# Altium PCB board.PcbDoc (part 1 of 3)
Units mm, origin at the board's own origin, x right, y up, seen from the top; angles counter-clockwise.
Board outline 44 x 64 mm, 2 copper layers (Top Layer, Bottom Layer), stack 1.5 mm thick; 184 components, 127 nets, 586 pads, 334 vias.
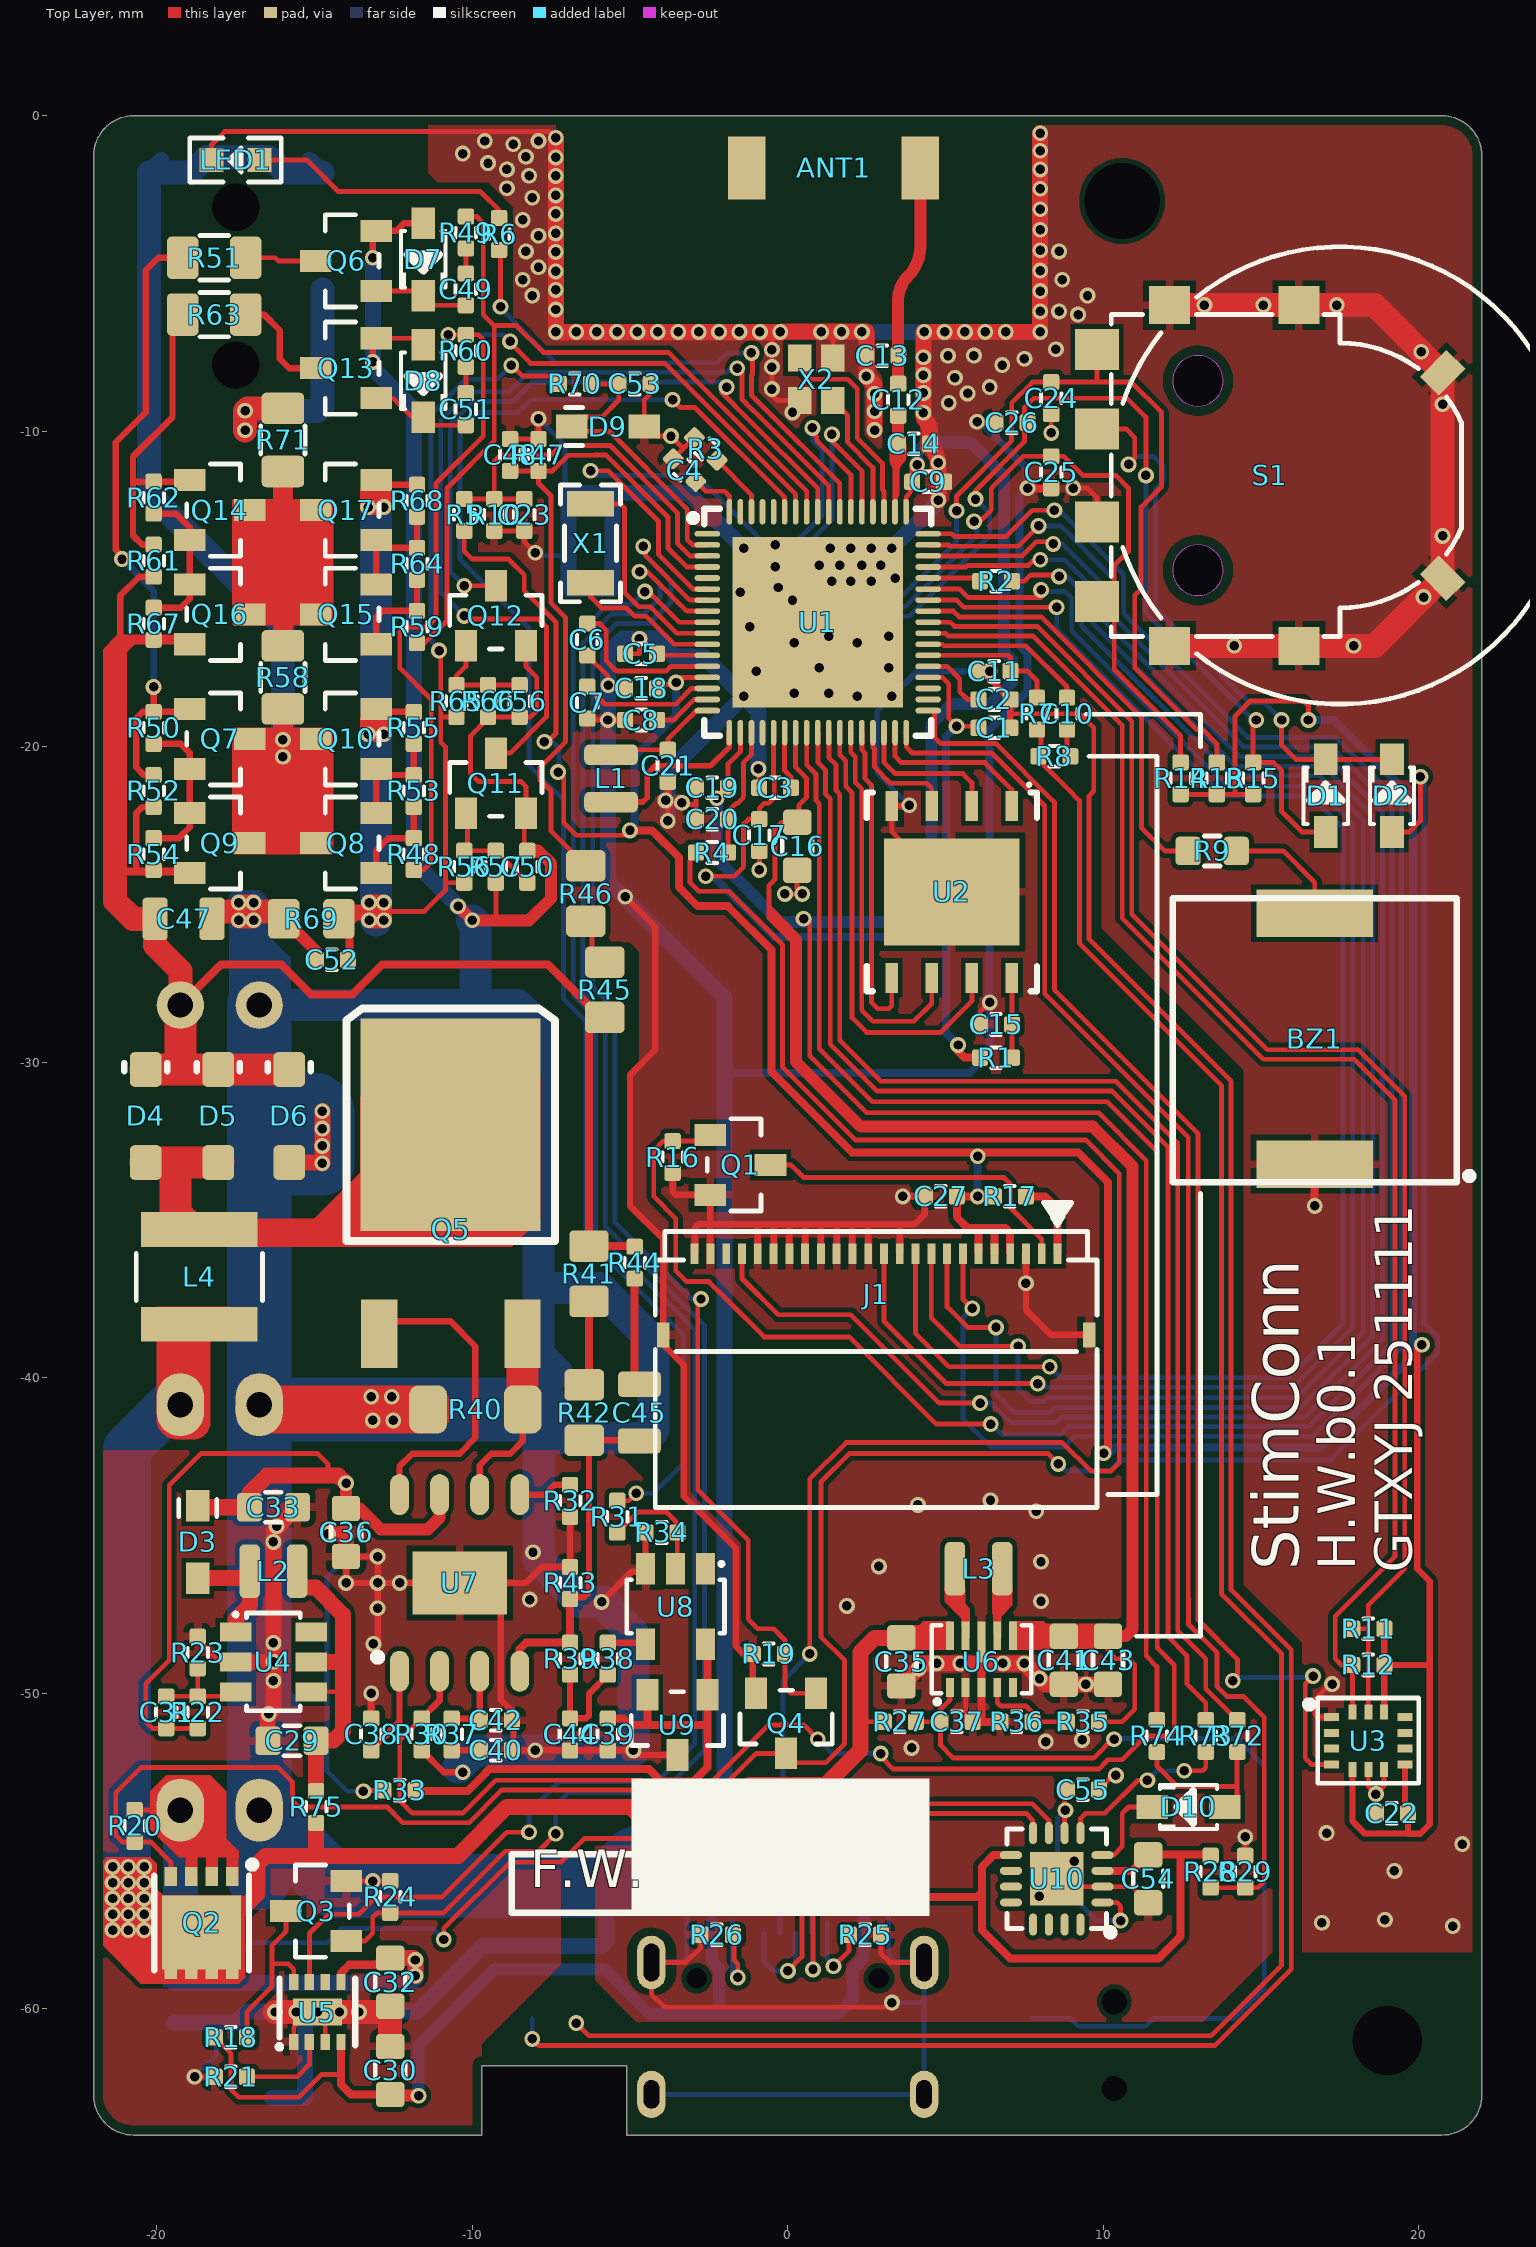
[diagram p0: Top Layer view]
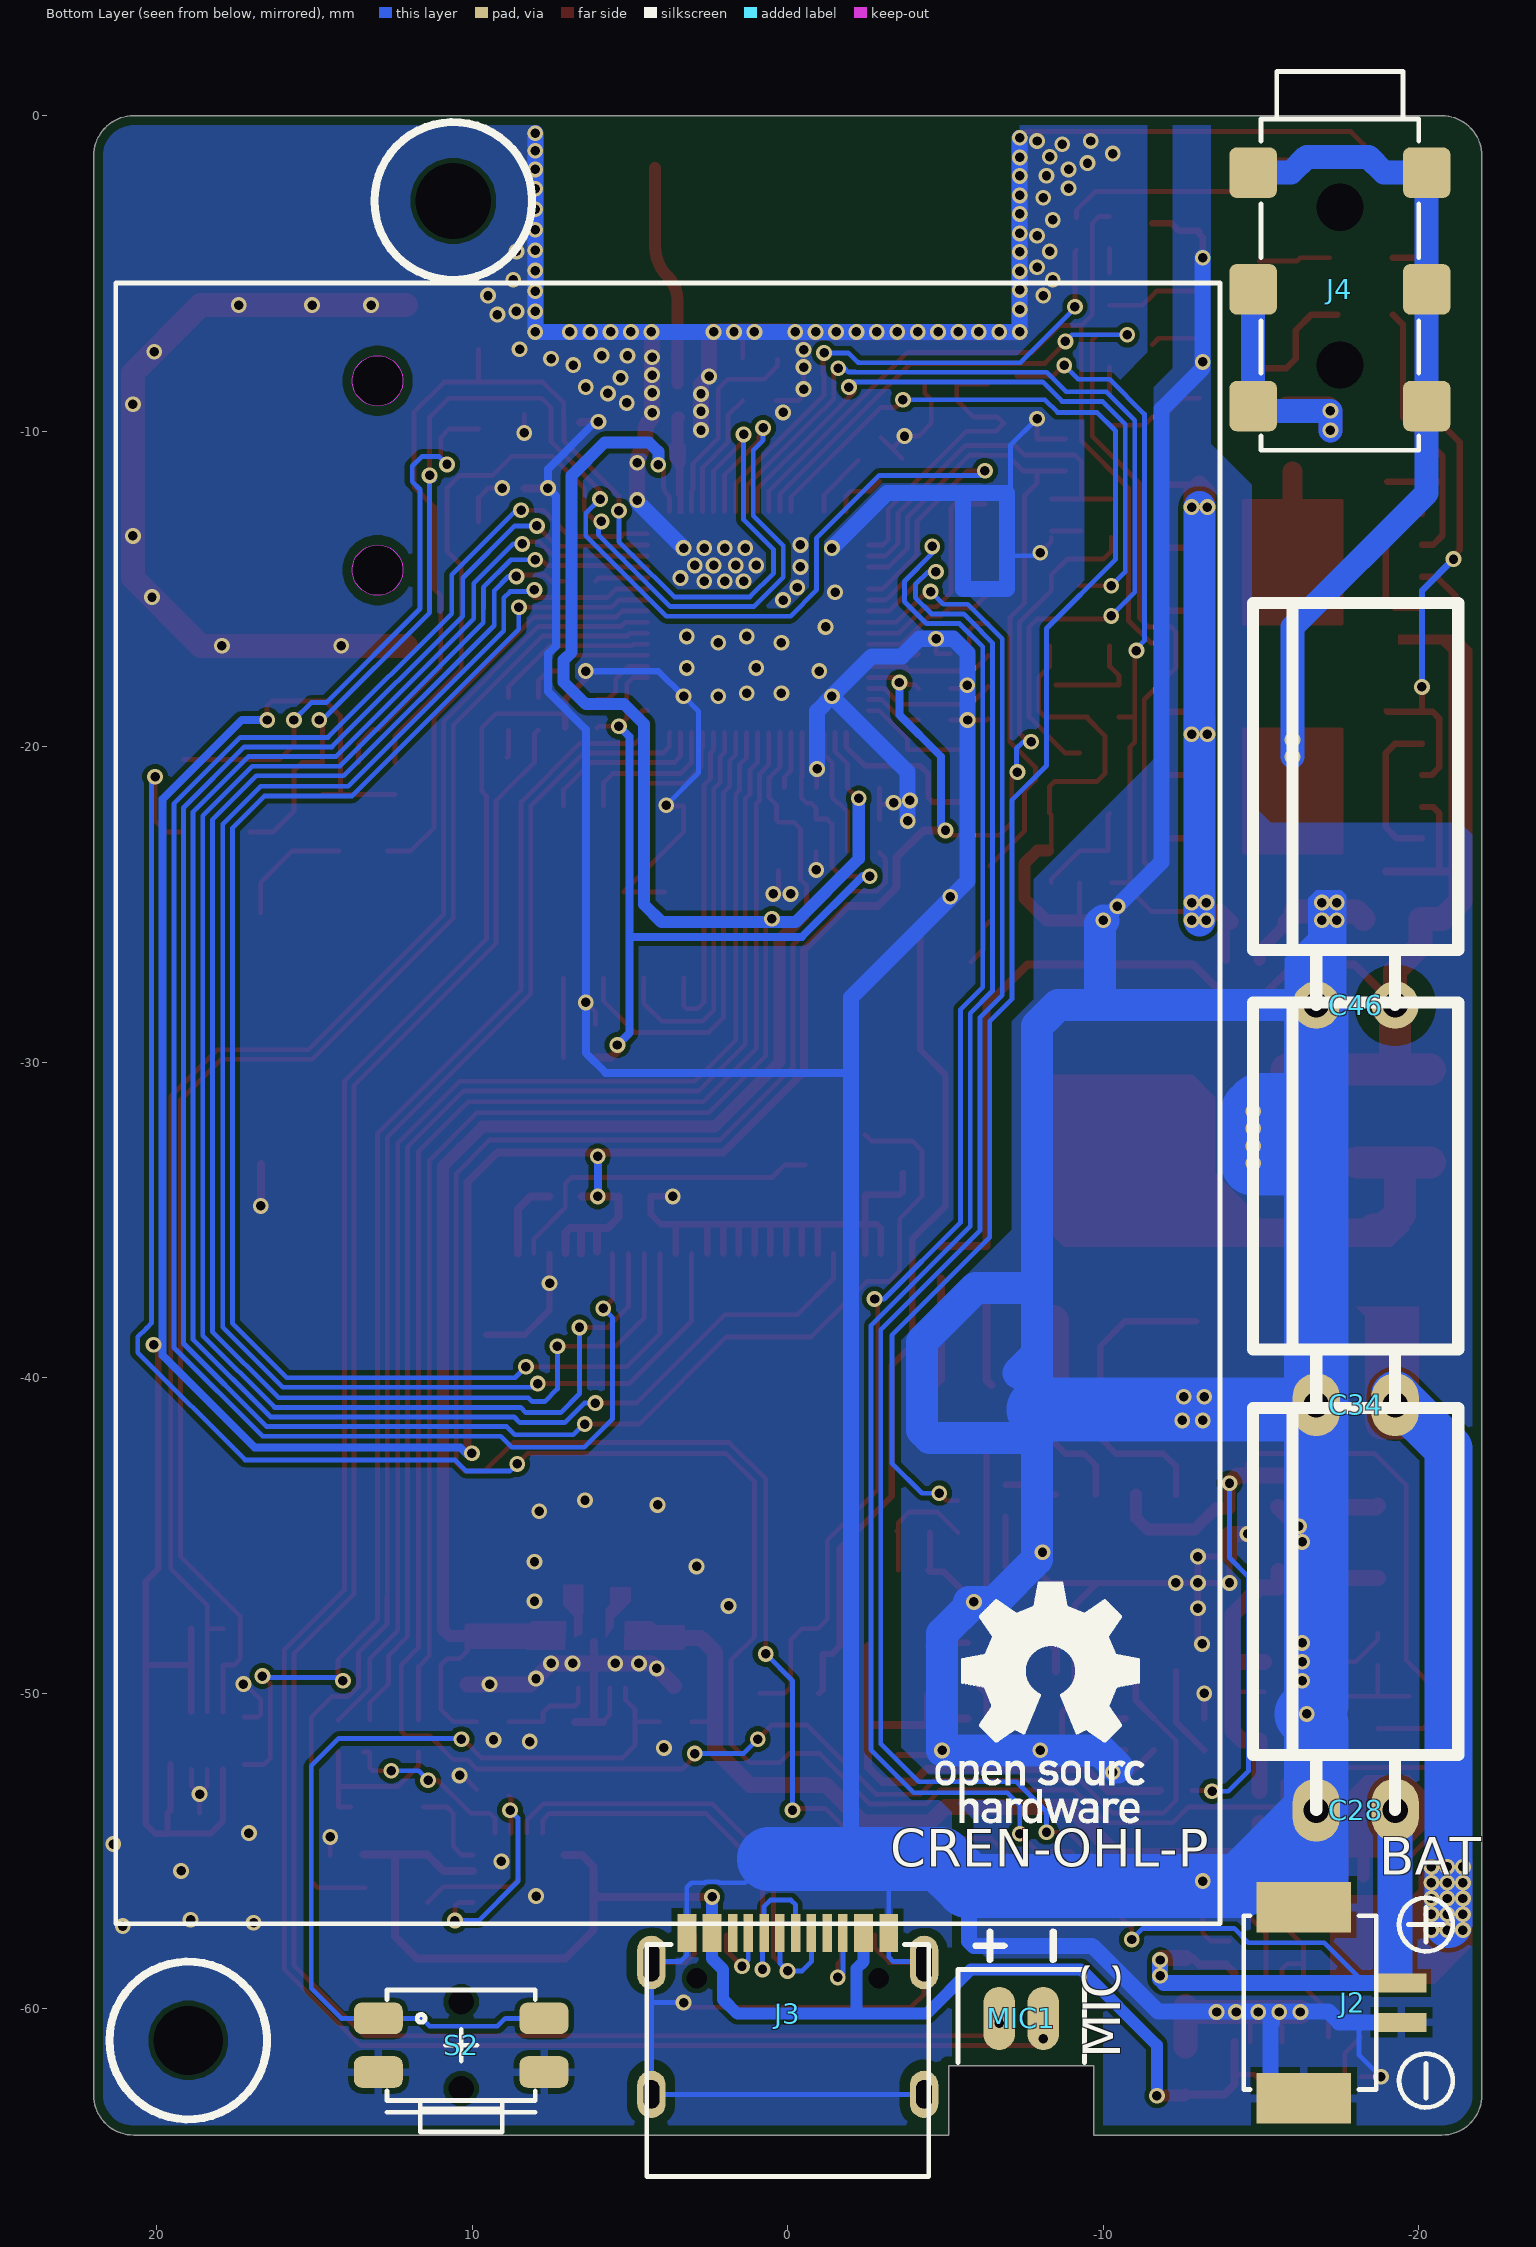
[diagram p1: Bottom Layer view, seen from below]
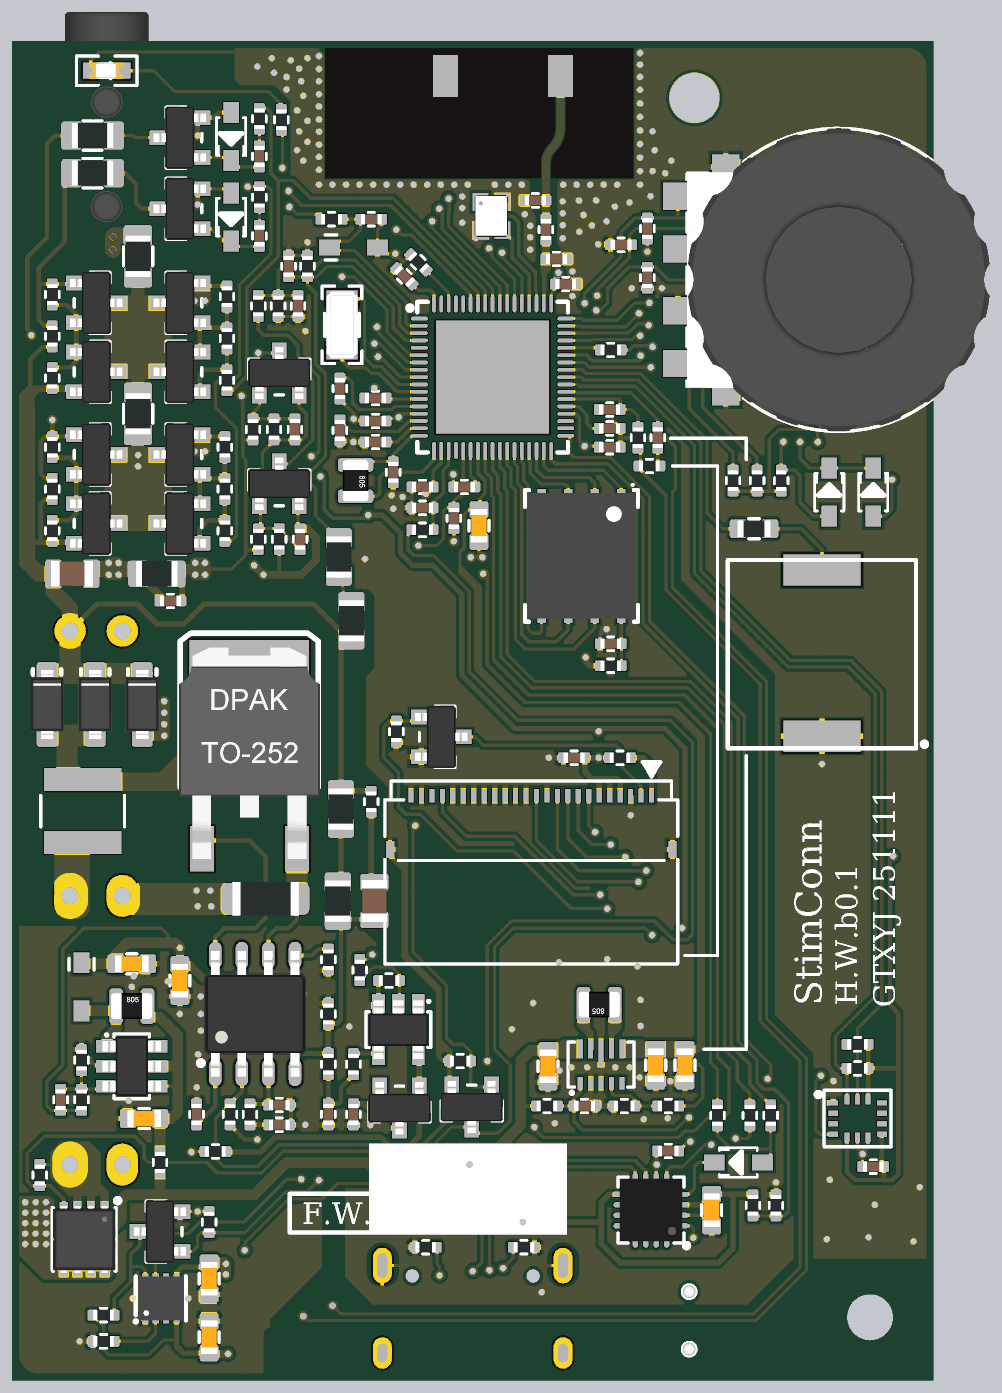
[diagram p4: 3D render of the assembled board from above, using the file's embedded part models]
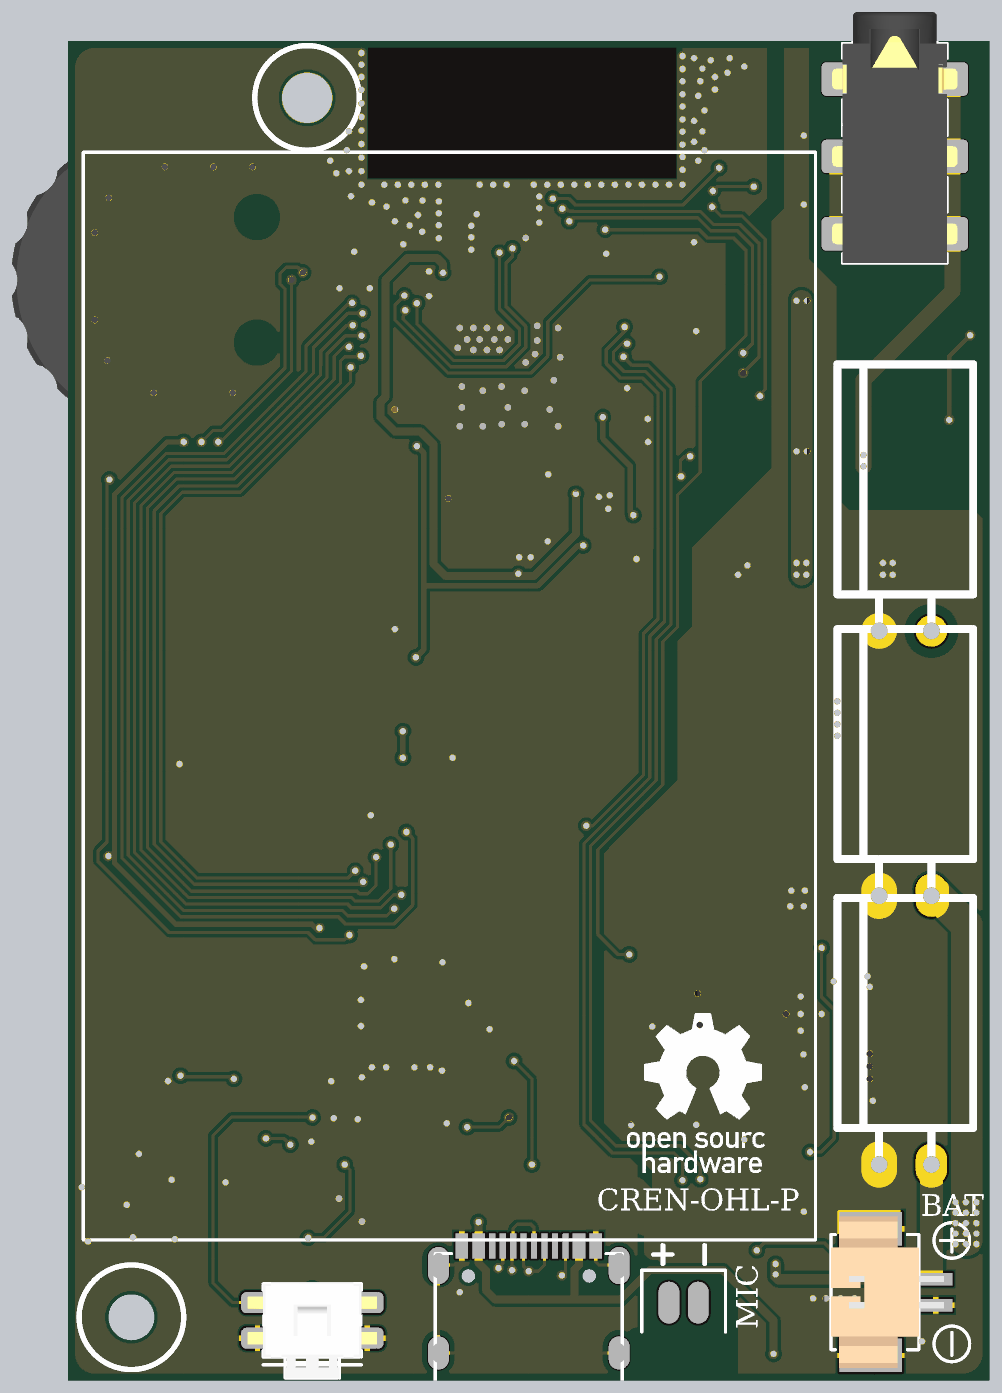
[diagram p5: 3D render of the assembled board from below, using the file's embedded part models]

## Layer stack, top to bottom
Top Solder: solder mask 0.05, Solder Resist, Dk 3.5
Top Layer: signal copper 0.05
Dielectric 1: dielectric 1.4, FR-4, Dk 4.8
Bottom Layer: signal copper 0.05
Bottom Solder: solder mask 0.05, Solder Resist, Dk 3.5

## Board outline
-22,-62.73 ccw(c-20.73,-62.73) -20.73,-64 -9.7,-64 -9.7,-61.8 -5.1,-61.8 -5.1,-64 20.73,-64 ccw(c20.73,-62.73) 22,-62.73 22,-1.27 ccw(c20.73,-1.27) 20.73,0 -20.73,0 ccw(c-20.73,-1.27) -22,-1.27

## Design rules (kind name [scope] priority, off if disabled: settings)
BoardOutlineClearance [All] p1: gap=0.3 ignorepadtopadclearanceinfootprint=FALSE
Clearance [All] p1: gap=0.152 ignorepadtopadclearanceinfootprint=FALSE
ComponentClearance [All] p1: gap=0 collisioncheckmode=3 verticalgap=0 showdistances=FALSE
HoleSize [All] p1: absolutevalues=TRUE maxlimit=6 minlimit=0.025 maxpercent=80.000 minpercent=20.000
PolygonConnect PolygonConnect_via [IsVia] p1: connectstyle=Direct reliefconductorwidth=0.254 reliefentries=4 polygonreliefangle="90 Angle" airgapwidth=0.254
PolygonConnect [All] p2: connectstyle=Relief reliefconductorwidth=0.254 reliefentries=4 polygonreliefangle="90 Angle" airgapwidth=0.178
RoutingVias [All] p1: holewidth=0.3 width=0.5 viastyle="Through Hole" minholewidth=0.1 minwidth=0.2 maxholewidth=0.711 maxwidth=1.27
SilkToSilkClearance [All] p1: silktosilkclearance=0
SilkToSolderMaskClearance [IsPad] p1: minsilkscreentomaskgap=0.051 clearancetoexposedcopper=TRUE
SolderMaskExpansion [All] p1: expansion=0.102 istentingtop=FALSE
Width [All] p1: maxlimit=22.86 minlimit=0.152 preferedwidth=0.203
26 further rules are at their usual default settings.

## Classes and differential pairs
net class HV: NetJ4_1 NetJ4_2 OUT_N
component class s02_power: C28 C29 C30 C31 C32 C33 C34 C35 C36 C37 C38 C39 C40 C41 C42 C43 C44 C45 C46 C47 C48 C49 C50 C51 C52 C53 C54 C55 C56 D3 D4 D5 D6 D7 D8 D9 D10 J2 J3 J4 L2 L3 L4 Q2 Q3 Q4 Q5 Q6 Q7 Q8 Q9 Q10 Q11 Q12 Q13 Q14 Q15 Q16 Q17 R18 R19 R20 R21 R22 R23 R24 R25 R26 R27 R28 R29 R30 R31 R32 R33 R34 R35 R36 R37 R38 R39 R40 R41 R42 R43 R44 R45 R46 R47 R48 R49 R50 R51 R52 R53 R54 R55 R56 R57 R58 R59 R60 R61 R62 R63 R64 R65 R66 R67 R68 R69 R70 R71 R72 R73 R74 R75 S2 U4 U5 U6 U7 U8 U9 U10
component class s01_soc: ANT1 BZ1 C1 C2 C3 C4 C5 C6 C7 C8 C9 C10 C11 C12 C13 C14 C15 C16 C17 C18 C19 C20 C21 C22 C23 C24 C25 C26 C27 D1 D2 J1 L1 LED1 MIC1 Q1 R1 R2 R3 R4 R5 R6 R7 R8 R9 R10 R11 R12 R13 R14 R15 R16 R17 S1 U1 U2 U3 X1 X2

## Components (designator, comment, footprint, x,y, rotation, side; value= is the part's Value field where it differs from the comment)
ANT1 "HWJ_CA-C03" ANT_2.4G_HWJ_CA-C03_MIRROR_OUTLINE 1.45,-1.65 r0 top
BZ1 "PIEZO_9018" BUZZER_PIEZO_SMD_9X9X1.8MM_2PIN 16.7,-29.3 r270 top locked
C1 "4.7uF/10V" 0402C 6.55,-19.4 r180 top
C2 "1uF/10V" 0402C 6.55,-18.5 r180 top
C3 "1uF/10V" 0402C -0.4,-21.3 r0 top
C4 "4.7uF/10V" 0402C -3.272,-11.23 r315 top
C5 "1uF/10V" 0402C -4.65,-17.05 r0 top
C6 "1uF/10V" 0402C -6.35,-16.6 r90 top
C7 "4.7uF/10V" 0402C -6.35,-18.6 r90 top
C8 "4.7uF/10V" 0402C -4.65,-19.15 r0 top
C9 "4.7uF/10V" 0402C 4.45,-11.6 r180 top
C10 "4.7uF/10V" 0402C 8.85,-18.95 r90 top
C11 "1uF/10V" 0402C 6.55,-17.6 r0 top
C12 "15pF/50V" 0402C 3.5,-9 r90 top
C13 "DNP" 0402C 3,-7.6 r180 top
C14 "DNP" 0402C 4,-10.4 r180 top
C15 "4.7uF/10V" 0402C 6.6,-28.8 r0 top
C16 "10uF/10V" 0603C 0.3,-23.15 r90 top
C17 "4.7uF/10V" 0402C -0.9,-22.8 r270 top
C18 "4.7uF/10V" 0402C -4.65,-18.15 r180 top
C19 "4.7uF/10V" 0402C -2.4,-21.3 r180 top
C20 "1uF/10V" 0402C -2.4,-22.3 r0 top
C21 "4.7uF/10V" 0402C -3.8,-20.6 r90 top
C22 "1uF/10V" 0402C 19.15,-53.8 r0 top
C23 "1uF/10V" 0402C -8.35,-12.65 r90 top
C24 "100nF/50V" 0402C 8.35,-8.95 r90 top
C25 "100nF/50V" 0402C 8.35,-11.3 r90 top
C26 "1uF/10V" 0402C 7.095,-9.724 r0 top
C27 "1uF/10V" 0402C 4.85,-34.25 r0 top
C28 "560uF/6.3V" CAP_EL_DIP_6.3X11_HOR_REV#1 -18,-53.7 r180 bottom
C29 "10uF/16V" 0603C -15.712,-51.5 r180 top
C30 "10uF/16V" 0603C -12.6,-61.95 r90 top
C31 "22pF/50V" 0402C -19.7,-50.6 r90 top
C32 "10uF/16V" 0603C -12.6,-59.15 r270 top
C33 "10uF/16V" 0603C -16.3,-44.1 r0 top
C34 "270uF/6.3V" CAP_EL_DIP_6.3X11_HOR_REV#1 -18,-40.85 r180 bottom locked
C35 "10uF/16V" 0603C 3.6,-49 r270 top
C36 "10uF/16V" 0603C -14,-44.9 r270 top
C37 "100nF/50V" 0402C 5.35,-50.9 r180 top
C38 "1uF/16V" 0402C -13.2,-51.3 r270 top
C39 "1uF/10V" 0402C -5.7,-51.3 r90 top
C40 "2.2nF/25V" 0402C -9.25,-51.8 r180 top
C41 "10uF/16V" 0603C 8.75,-48.95 r270 top
C42 "68pF/50V" 0402C -9.25,-50.85 r180 top
C43 "10uF/16V" 0603C 10.15,-48.95 r270 top
C44 "1uF/10V" 0402C -6.9,-51.3 r90 top
C45 "1nF/200V" 0805C_N_HD -4.7,-41.1 r90 top
C46 "4.7uF/250V" CAP_EL_DIP_6.3X11_HOR_REV#2 -18,-28.186 r180 bottom locked
C47 "1nF/200V" 0805C_N_HD -19.15,-25.45 r180 top
C48 "2.2nF/25V" 0402C -8.8,-10.75 r270 top
C49 "4.7uF/10V" 0402C -10.2,-5.5 r270 top
C50 "10nF/50V" 0402C -8.25,-23.8 r270 top
C51 "4.7uF/10V" 0402C -10.2,-9.3 r90 top
C52 "10nF/50V" 0402C -14.45,-26.75 r0 top
C53 "10nF/50V" 0402C -4.85,-8.5 r180 top
C54 "10uF/16V" 0603C 11.425,-55.875 r270 top
C55 "1uF/10V" 0402C 9.35,-53.05 r180 top
C56 "1nF/50V" 0402C -8.5,-18.55 r90 top
D1 "1N4148WS" SOD323 17.05,-21.55 r270 top
D2 "1N4148WS" SOD323 19.15,-21.55 r270 top
D3 "1N5819WS" SOD323_N -18.7,-45.2 r270 top
D4 "DSK320" SOD123_N_HD -20.35,-31.7 r270 top
D5 "DSK320" SOD123_N_HD -18.05,-31.7 r270 top
D6 "SMF150A" SOD123_N_HD -15.8,-31.7 r270 top
D7 "1N4148WS" SOD323 -11.55,-4.55 r90 top
D8 "1N4148WS" SOD323 -11.55,-8.4 r90 top
D9 "BZT52C3V0S" SOD323_N -5.7,-9.85 r0 top
D10 "1N4148WS" SOD323 12.7,-53.6 r0 top
J1 "FPC_24P" FPC_0.5MM_24P_H1.0_DNUP_MIRROR_FH34SRJ-24S-0.5SH 2.8,-37.35 r0 top
J2 "CON2_SMD" PRT_1.25MM_2PIN_HOR_SMD -17.9,-59.8 r270 bottom
J3 "USB_C_16P_Horizontal" USB_C_16P_FEMALE_HOR_L7.3_HD 0,-60.15 r180 bottom locked
J4 "PJ-242D" CON_AUDIO_PJ_242 -17.5,-5.5 r180 bottom
L1 "4.7uH" INDUCTOR_0806_HD -5.6,-21 r90 top
L2 "FTC201610S4R7MBCA" INDUCTOR_0806_HD -16.3,-46.124 r180 top
L3 "FTC201610SR47MBCA" INDUCTOR_0806_HD 6.05,-46.05 r0 top
L4 "WPN4020H100MT" INDUCTOR_SWPA4020S -18.65,-36.8 r90 top
LED1 "LED" LED_0603 -17.5,-1.4 r0 top
MIC1 "GMI4015P-2C-66db" MIC_DIP_F4_H1.5 -7.4,-60.3 r180 bottom
Q1 "2N7002" SOT23_MOS -1.5,-33.25 r180 top
Q2 "HYG090P03LQ1C1" DFN8_MOS_3X3 -18.575,-57.275 r180 top
Q3 "2N7002" SOT23_MOS -14.95,-56.9 r0 top
Q4 "2N7002" SOT23_MOS -0.05,-50.95 r90 top
Q5 "NCEP1520K" TO252_MOS -10.686,-31.975 r90 top
Q6 "MMBT5551" SOT23_BCE -14,-4.6 r0 top
Q7 "MMBT5401" SOT23_BCE -18,-19.75 r180 top
Q8 "MMBT5551" SOT23_BCE -14,-23.05 r0 top
Q9 "MMBT5401" SOT23_BCE -18,-23.05 r180 top
Q10 "MMBT5551" SOT23_BCE -14,-19.75 r0 top
Q11 "MMBT5551" SOT23_BCE -9.25,-21.15 r270 top
Q12 "MMBT5551" SOT23_BCE -9.25,-15.85 r270 top
Q13 "MMBT5551" SOT23_BCE -14,-8 r0 top
Q14 "MMBT5401" SOT23_BCE -18,-12.5 r180 top
Q15 "MMBT5551" SOT23_BCE -14,-15.8 r0 top
Q16 "MMBT5401" SOT23_BCE -18,-15.8 r180 top
Q17 "MMBT5551" SOT23_BCE -14,-12.5 r0 top
R1 "10R/1%" 0402R 6.6,-29.85 r0 top
R2 "100R/1%" 0402R 6.6,-14.75 r0 top